# Altium PCB OTC_LOCK_v1_0.PcbDoc (part 1 of 2)
Units mm, origin at the board's own origin, x right, y up, seen from the top; angles counter-clockwise.
Board outline 85 x 65 mm, 4 copper layers (Top Layer, Internal Plane 1, Internal Plane 2, Bottom Layer), stack 1.56 mm thick; 126 components, 96 nets, 383 pads, 140 vias.
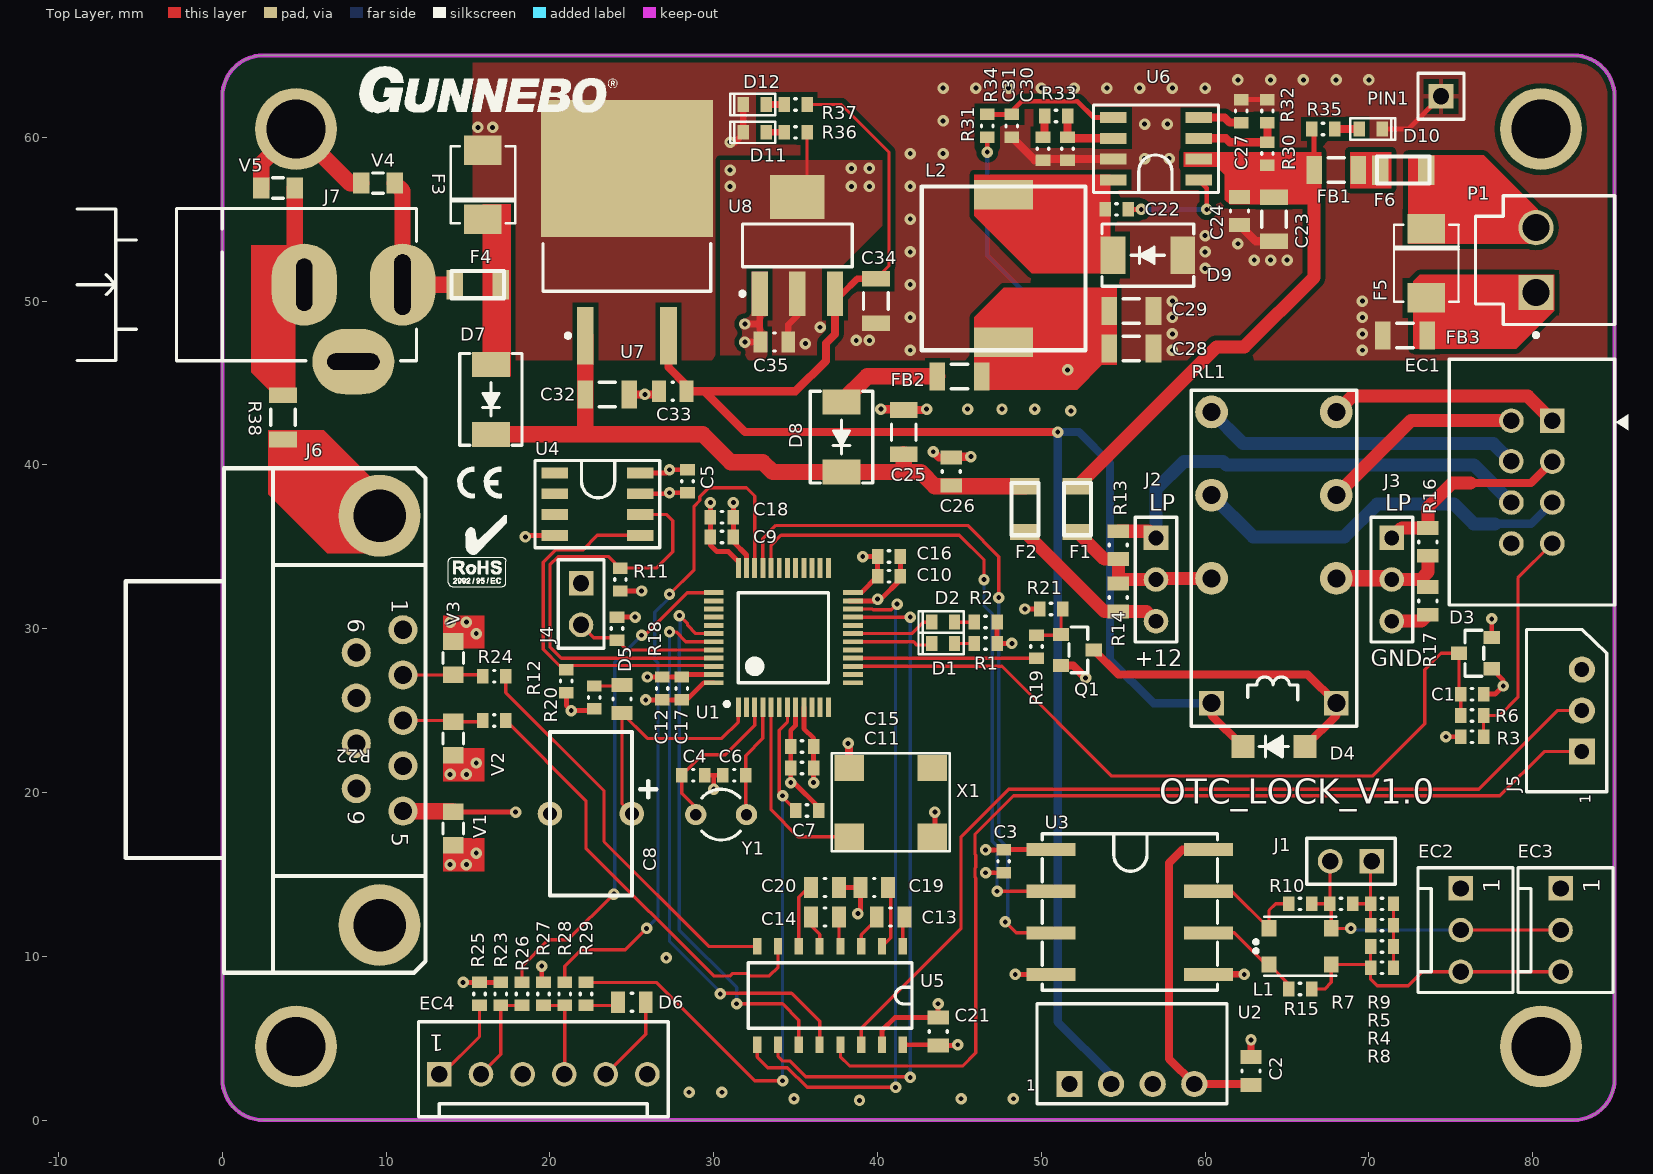
[diagram p0: Top Layer view]
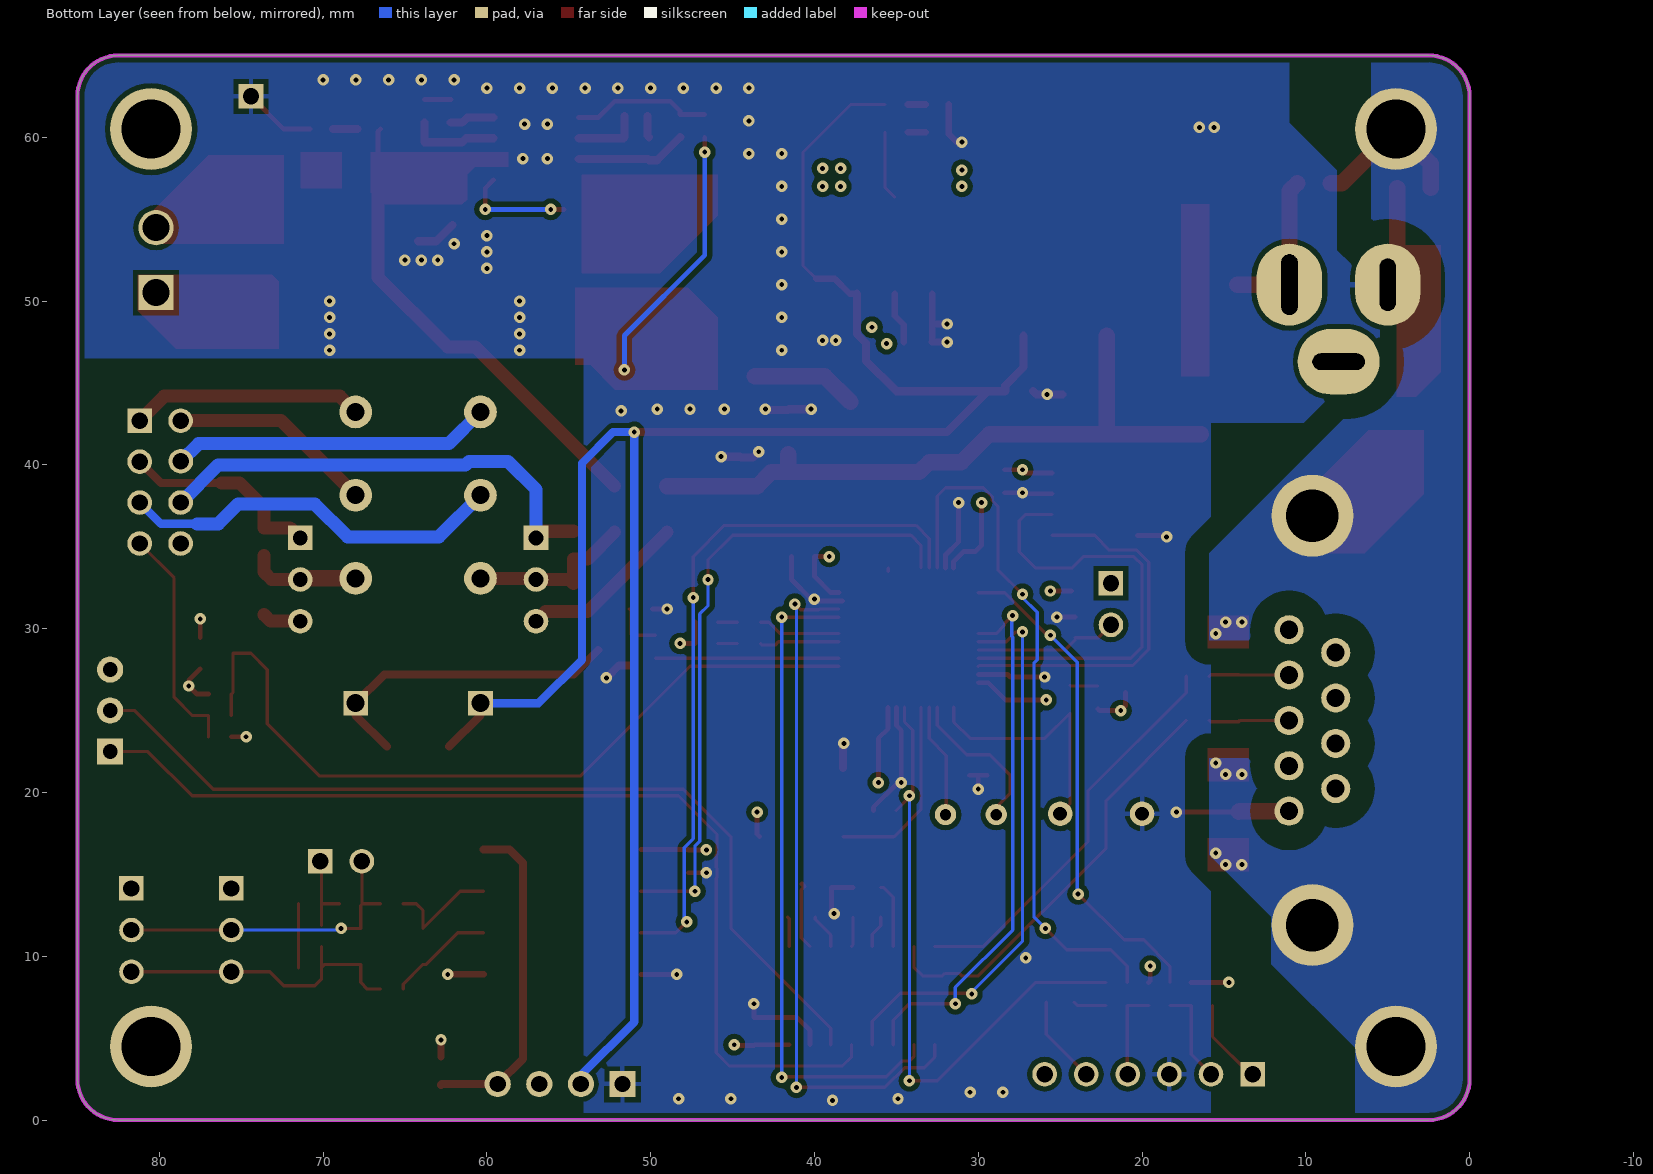
[diagram p1: Bottom Layer view, seen from below]
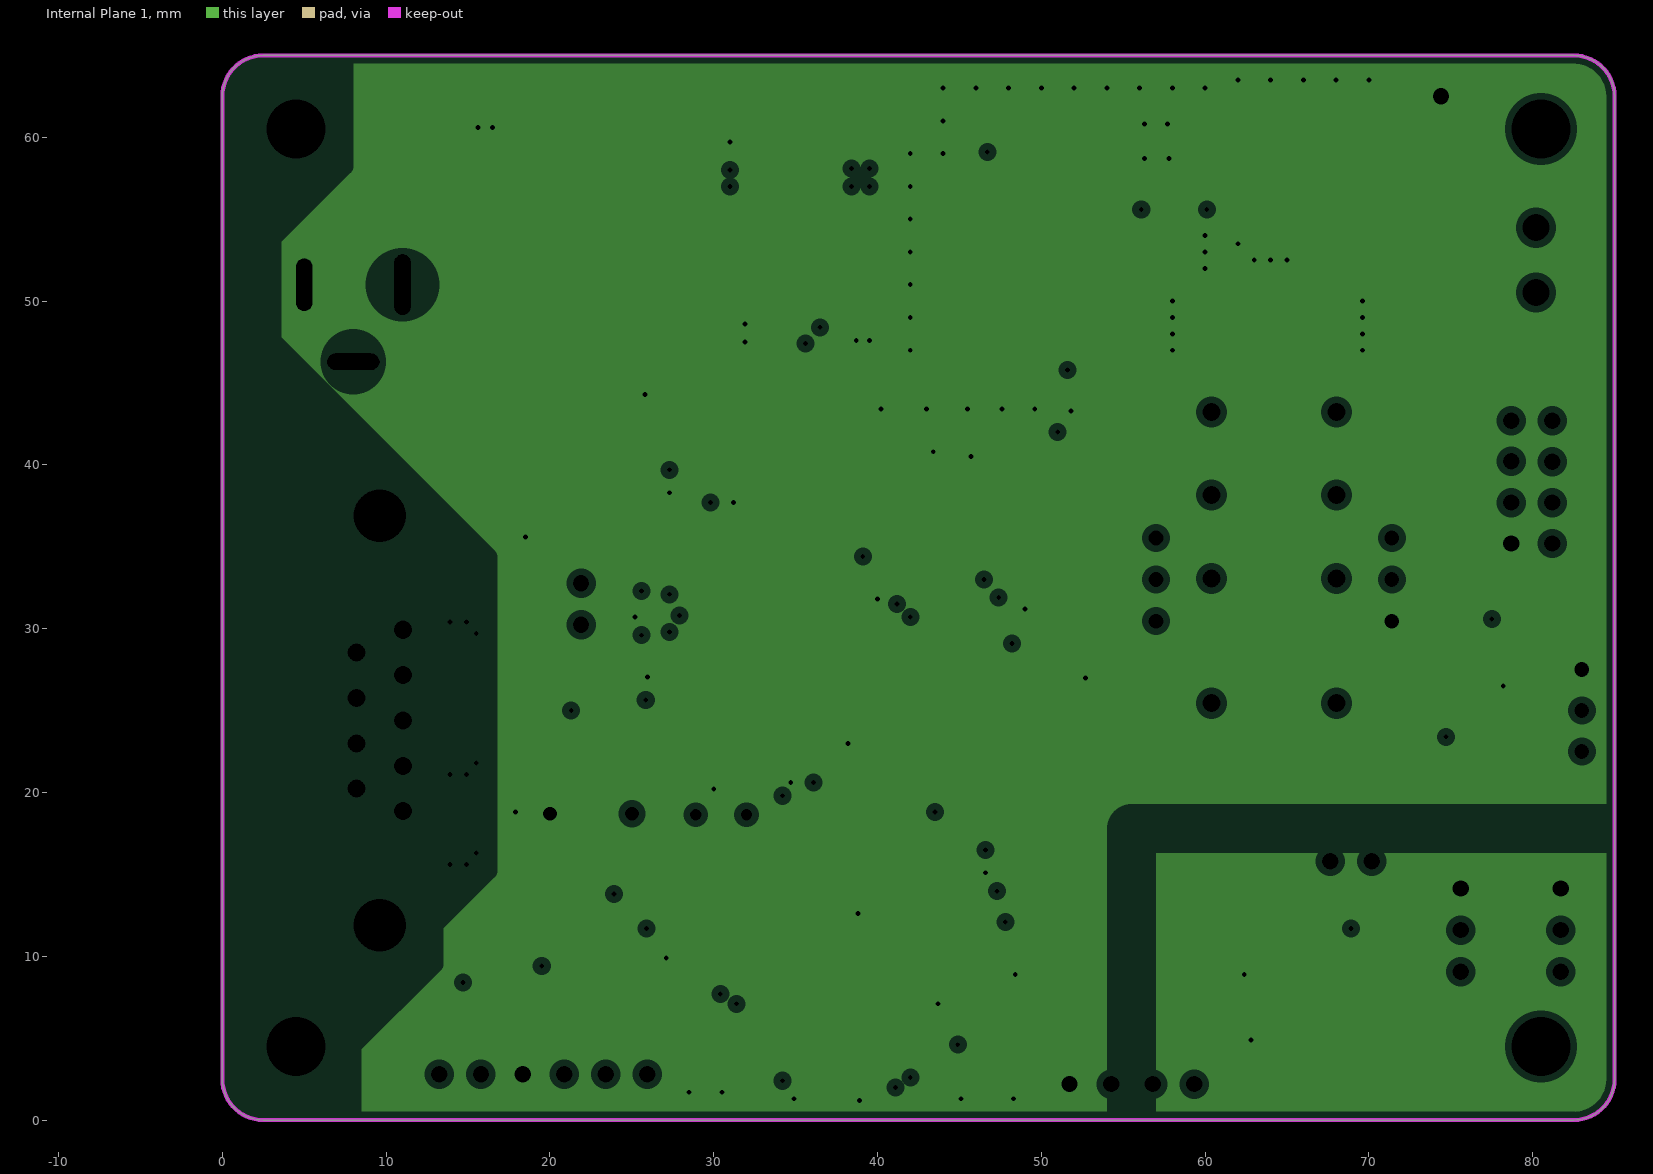
[diagram p2: Internal Plane 1, clearances drawn from the general rule]
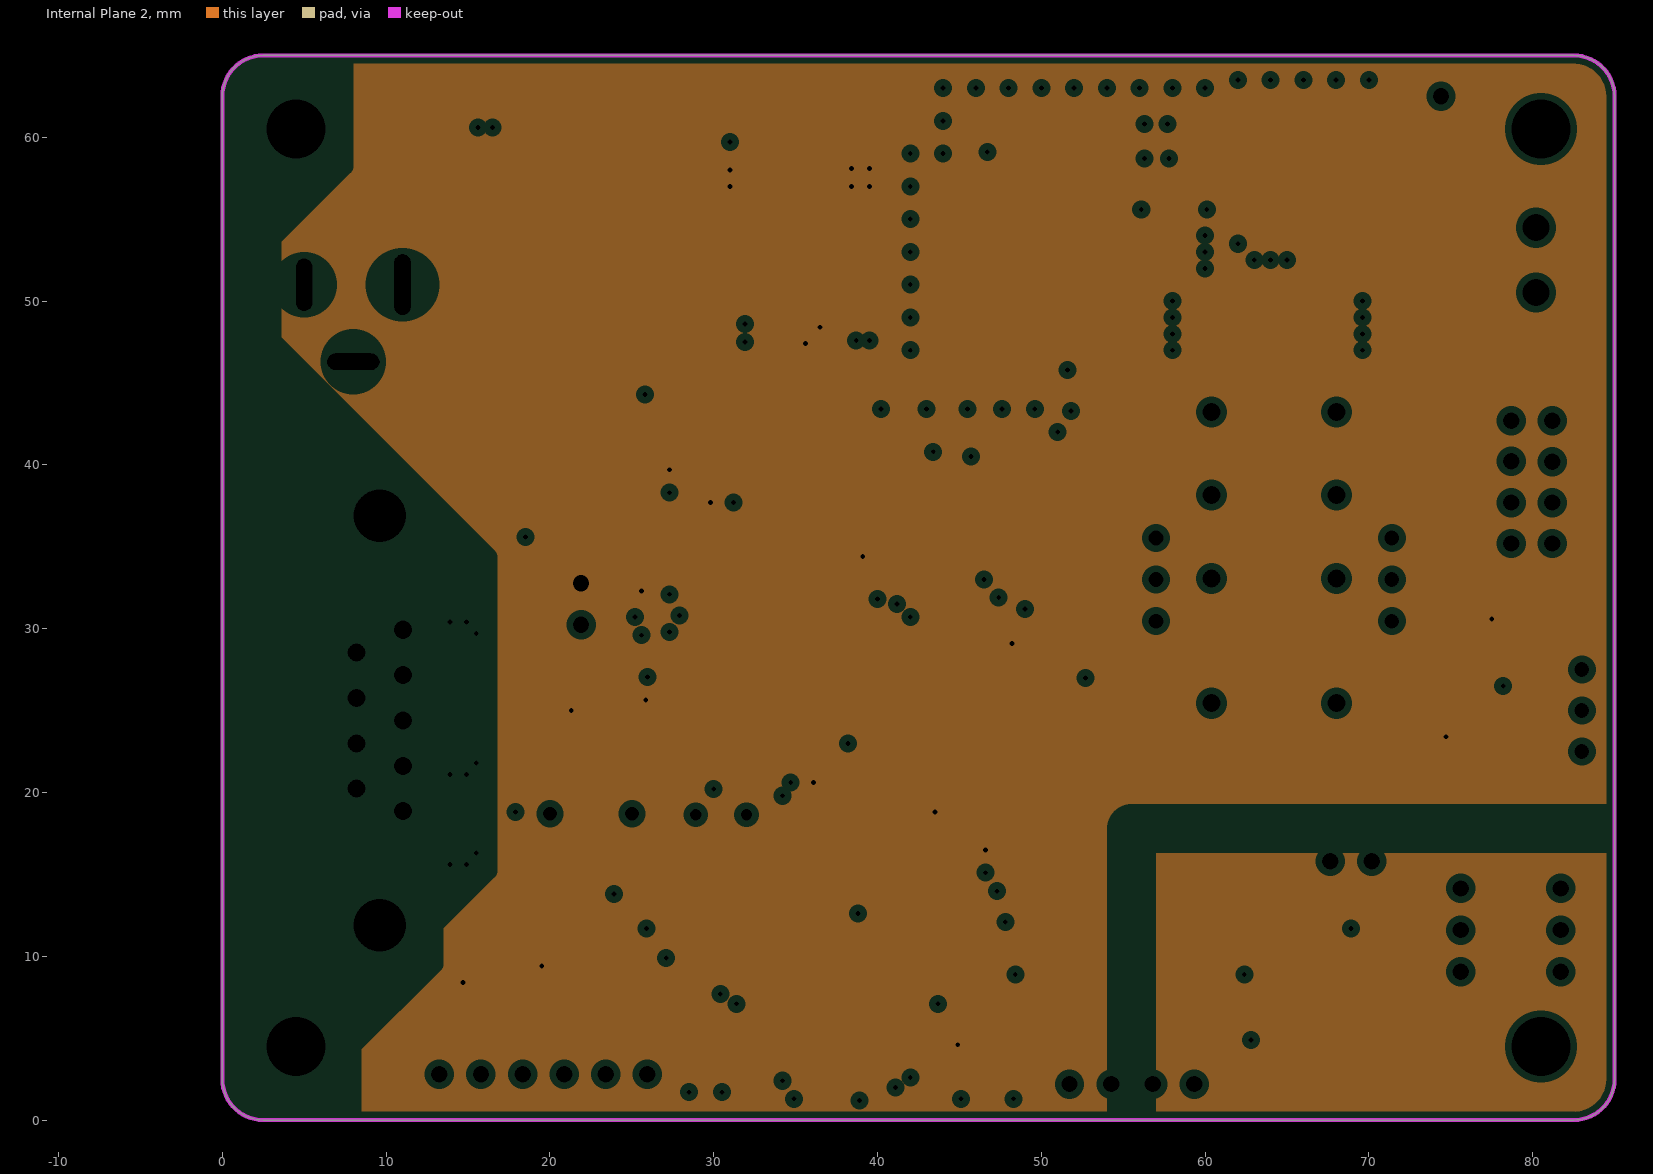
[diagram p3: Internal Plane 2, clearances drawn from the general rule]

## Layer stack, top to bottom
Top Solder: solder mask 0.0102, Solder Resist, Dk 3.5
Top Layer: signal copper 0.035
Dielectric 1: prepreg 0.13, 2x1080, Dk 4.4
Internal Plane 1: plane copper 0.015, net (Multiple Nets)
Dielectric 3: core 1.2, Dk 4.7
Internal Plane 2: plane copper 0.015, net +3V3
Dielectric 2: prepreg 0.13, 2x1080, Dk 4.4
Bottom Layer: signal copper 0.035
Bottom Solder: solder mask 0.0102, Solder Resist, Dk 3.5

## Board outline
0,2.5 ccw(c2.5,2.5) 2.5,0 82.5,0 ccw(c82.5,2.5) 85,2.5 85,62.5 ccw(c82.5,62.5) 82.5,65 2.5,65 ccw(c2.5,62.5) 0,62.5

## Design rules (kind name [scope] priority, off if disabled: settings)
Clearance Clearance_PADS [IsPad vs IsPad] p1: gap=0.2 ignorepadtopadclearanceinfootprint=FALSE
Clearance Clearance_usb [InNetClass('DIFF90') vs (InNet('GND') AND InPolygon)] p2: gap=1.5 ignorepadtopadclearanceinfootprint=FALSE
Clearance Clearance_GND_EARTH [InNet('GND_EARTH')] p3: gap=0.3 ignorepadtopadclearanceinfootprint=FALSE except(1.5: THPad-Fill THPad-Poly THPad-Region Fill-Fill Fill-Poly Fill-Region Poly-Poly Poly-Region Region-Region)
Clearance Clearance_polygon [InPolygon] p4: gap=0.3 ignorepadtopadclearanceinfootprint=FALSE
Clearance [All] p5: gap=0.2 ignorepadtopadclearanceinfootprint=FALSE
DiffPairsRouting DiffPairsRouting_90 [InDifferentialPairClass('DIF90')] p1: maxlimit=0.5 minlimit=0.23 mostfreqgap=0.48 toplayer_minwidth=0.23 toplayer_maxwidth=0.23 toplayer_prefwidth=0.23 bottomlayer_minwidth=0.23 bottomlayer_maxwidth=0.23 bottomlayer_prefwidth=0.23 maxuncoupledlength=8
DiffPairsRouting [All] p2: maxlimit=0.254 minlimit=0.254 mostfreqgap=0.254 toplayer_minwidth=0.2 toplayer_maxwidth=0.381 toplayer_prefwidth=0.381 bottomlayer_minwidth=0.2 bottomlayer_maxwidth=0.381 bottomlayer_prefwidth=0.381 maxuncoupledlength=12.7
HoleSize [All] p1: absolutevalues=TRUE maxlimit=4 minlimit=0.025 maxpercent=80.000 minpercent=20.000
MatchedLengths [InDifferentialPairClass('DIF90')] p1: tolerance=0.127 checknetsindiffpair=TRUE checkdiffpairvsdiffpair=FALSE checkxsignals=FALSE checkothers=FALSE
MinimumSolderMaskSliver [All] p1: minsoldermaskwidth=0.08
PasteMaskExpansion [All] p1: expansion=-0.02
PlaneClearance [All] p1: clearance=0.4
PlaneConnect PlaneConnect_THD [InPadClass('THD')] p1: planeconnectstyle=Relief reliefexpansion=0.3 reliefentries=4 reliefconductorwidth=0.3 reliefairgap=0.3
PlaneConnect [All] p2: planeconnectstyle=Direct reliefexpansion=0.508 reliefentries=4 reliefconductorwidth=0.254 reliefairgap=0.254
PolygonConnect PolygonConnect_GND_EARTH [InNet('GND_EARTH')] p1: connectstyle=Direct reliefconductorwidth=0.254 reliefentries=4 polygonreliefangle="90 Angle" airgapwidth=0.254
PolygonConnect [All] p2: thpad.connectstyle=Relief thpad.reliefconductorwidth=0.3 thpad.reliefentries=4 thpad.polygonreliefangle="90 Angle" thpad.airgapwidth=0.3 smdpad.connectstyle=Direct smdpad.reliefconductorwidth=0.254 smdpad.reliefentries=4 smdpad.polygonreliefangle="90 Angle" smdpad.airgapwidth=0.254 via.connectstyle=Direct via.reliefconductorwidth=0.254 via.reliefentries=4 via.polygonreliefangle="90 Angle" via.airgapwidth=0.254
RoomDefinition power [InComponentClass('power')] p1: confinementstyle=ConfineIn formatcopy=TRUE lockcomponents=FALSE outline 1.3,3.7 85.4,3.7 85.4,64.3 1.3,64.3
RoomDefinition micro [InComponentClass('micro')] p2: confinementstyle=ConfineIn formatcopy=TRUE lockcomponents=FALSE outline -6.5,-0.2 86.1,-0.2 86.1,63.1 -6.5,63.1
RoutingVias [All] p1: holewidth=0.3 width=0.7 viastyle="Through Hole" minholewidth=0.2 minwidth=0.5 maxholewidth=0.711 maxwidth=1.27
SilkToSilkClearance [All] p1: silktosilkclearance=0.125
SilkToSolderMaskClearance [IsPad] p1: minsilkscreentomaskgap=0 clearancetoexposedcopper=TRUE
SolderMaskExpansion SolderMaskExpansion_via [IsVia] p1: expansion=-1
SolderMaskExpansion [All] p2: expansion=0.06
Width [All] p1: maxlimit=5 minlimit=0.2 preferedwidth=0.3
22 further rules are at their usual default settings.

## Classes and differential pairs
pad class THD: C15-1 C15-2 EC1-1 EC1-2 EC1-3 EC2-1 EC2-2 EC2-3 EC3-1 EC3-2 EC3-3 EC3-4 EC3-5 EC3-6 EC4-1 EC4-2 EC4-3 EC4-4 EC4-5 EC4-6 EC4-7 EC4-8 Free- J2-1 J2-2 J3-1 J3-2 J3-3 J4-1 J4-2 J4-3 J4-4 J4-5 J4-6 J4-7 J4-8 J4-9 J4-10 J4-11 J5-1 J5-2 J7-1 J7-2 J7-3 J8-1 J8-2 J8-3 J10-1 J10-2 J10-3 P2-1 P2-2 PIN1-1 RL1-1 RL1-4 RL1-6 RL1-8 RL1-9 RL1-11 RL1-13 RL1-16 U3-1 U3-2 U3-3 U3-4 Y1-1 Y1-2
differential pair class DIF90: FUSB USB
component class power: C5 C10 C14 C15 C16 C20 C26 C28 C29 C31 C32 C33 C34 C35 D7 D8 D9 D10 D11 D12 F3 F4 F5 F6 FB1 FB2 FB3 J5 L2 P1 PIN1 R11 R17 R30 R31 R33 R34 R36 R37 R38 U5 U6 U8 V2 V5
component class micro: C1 C4 C6 C7 C8 C9 C10 C11 C12 C13 C15 C17 C18 C19 C21 C26 C28 C31 C32 C33 D1 D2 D3 D4 D5 D6 EC1 EC2 EC3 EC4 F1 F2 J1 J2 J3 J4 J6 L1 Q1 R1 R2 R3 R4 R5 R6 R7 R8 R9 R10 R11 R12 R13 R14 R15 R16 R17 R18 R20 R23 R25 R26 R27 R28 R29 R30 R32 R33 R34 R37 RL1 U2 U3 U4 U5 U7 V1 V2 V3 X1 Y1
net class EXT_CAN: +5VCAN GND_CAN NetEC2_2 NetEC2_3 NetJ1_1 NetL1_1 NetL1_4 NetR4_2

## Components (designator, comment, footprint, x,y, rotation, side; value= is the part's Value field where it differs from the comment)
C1 "100nF" 0603 76.3,26 r180 top value=100pF
C2 "10 uF" 0805 62.8,3 r90 top value=100pF
C3 "1 uF" 0603 47.7,15.8 r270 top value=100pF
C4 "10pF" 0603 28.75,21.05 r180 top value=100pF
C5 "100nF" 0603 28.4,39 r90 top value=100pF
C6 "10pF" 0603 31.25,21.05 r0 top value=100pF
C7 "100nF" 0603 35.7,18.9 r180 top value=100pF
C8 "0,22F" EECS0HD224V 25,18.7 r180 top
C9 "100nF" 0603 30.5,35.6 r180 top value=100pF
C10 "100nF" 0603 40.7,33.2 r180 top value=100pF
C11 "100nF" 0603 35.4,21.5 r0 top value=100pF
C12 "100nF" 0603 26.85,26.35 r270 top value=100pF
C13 "470nF" 0805 40.8,12.4 r0 top value=100pF
C14 "470nF" 0805 36.8,12.4 r180 top value=100pF
C15 "10 nF" 0603 35.4,22.8 r0 top value=100pF
C16 "10 nF" 0603 40.7,34.4 r180 top value=100pF
C17 "10 nF" 0603 28.05,26.35 r270 top value=100pF
C18 "10 nF" 0603 30.5,36.8 r180 top value=100pF
C19 "470nF" 0805 39.8,14.2 r0 top value=100pF
C20 "470nF" 0805 36.8,14.2 r0 top value=100pF
C21 "100 nF" 0805 43.7,5.4 r90 top value=100pF
C22 "100nF" 0603 54.6,55.6 r180 top value=100pF
C23 "10 uF" 1206 64.2,55 r90 top value=100pF
C24 "100 nF" 0805 62.1,55.5 r90 top value=100pF
C25 "10uF" 1206 41.6,42 r90 top value=100pF
C26 "100 nF" 0805 44.5,39.6 r270 top value=100pF
C27 "10n" 0603 62.2,61.6 r90 top value=100pF
C28 "10 uF" 1206 55.5,47.1 r180 top value=100pF
C29 "10 uF" 1206 55.5,49.4 r180 top value=100pF
C30 "100p" 0603 51.6,59.3 r90 top value=100pF
C31 "10n" 0603 50.1,59.3 r90 top value=100pF
C32 "10 uF" 1206 23.5,44.3 r180 top value=100pF
C33 "10 uF" 0805 27.5,44.5 r0 top value=100pF
C34 "10 uF" 1206 39.9,50 r90 top value=100pF
C35 "10 uF" 0805 33.7,47.5 r0 top value=100pF
D1 "LED_G" LED0603G 44,29.1 r180 top
D2 "LED_G" LED0603G 44,30.4 r180 top
D3 "BAT54S" SOT23 76.5,28.5 r90 top
D4 "LL4148" SOD123 64.2,22.8 r180 top
D5 "BAT48" 0805 24.4,25.7 r270 top
D6 "BAT48" 0805 25,7.2 r0 top
D7 "SS26" SMB 16.4,44 r270 top
D8 "SS26" SMB 37.8,41.7 r270 top
D9 "SS26" SMB 56.5,52.8 r180 top
D10 "LED_G" LED0603G 70.1,60.5 r0 top
D11 "LED_G" LED0603G 32.5,60.3 r180 top
D12 "LED_G" LED0603G 32.5,62 r180 top
EC1 "JST_XAD_8" JST_XADSS_8 79.95,38.95 r90 top
EC2 "Conexcon-2545-2-03-1_1" CONEXCON-2545-2-03-1 78.8,7.79 r90 top
EC3 "Conexcon-2545-2-03-1_1" CONEXCON-2545-2-03-1 84.9,7.79 r90 top
EC4 "Conexcon-2545-2-06-1" CONEXCON-2545-2-06-1 19.6,3.1 r180 top
F1 "1206L050/24" POLYFUSE_1206L 52.2,37.3 r90 top
F2 "1206L050/24" POLYFUSE_1206L 49,37.3 r90 top
F3 "TVS 12V Bidir" DO-214AA 15.9,57.1 r270 top
F4 "1206L050/24" POLYFUSE_1206L 15.6,51 r0 top
F5 "TVS 12V Bidir" DO-214AA 73.5,52.3 r90 top
F6 "1206L050/24" POLYFUSE_1206L 72.1,58 r180 top
FB1 "ILHB1206ER121V" 1206 68,58 r180 top
FB2 "ILHB1206ER121V" 1206 45,45.4 r180 top
FB3 "ILHB1206ER121V" 1206 72.2,47.9 r180 top
J1 "JUMPER2" JUMPER_2X1_2.54 68.9,15.8 r180 top
J2 "Header 3" HDR1X3 57,35.54 r270 top
J3 "Header 3" HDR1X3 71.4,35.54 r270 top
J4 "JUMPER2" JUMPER_2X1_2.54 21.9,31.5 r270 top
J5 "MKS_19023" MOLEX_MKS_19023 83,22.5 r90 top
J6 "A-DS09A/KG-T2" FCI_D09P33E6RV09LF 9.6,36.894 r270 top
J7 "PJ-002AH" POWER_JACK_5.5_2.1MM_NS_v1.1 11,51 r90 top
L1 "DLW43SH510XK2" 1812_DLW 65.8,10.6 r0 top
L2 "47u" SRU1048-470Y 47.7,52 r270 top
P1 "B2P-VH(LF)(SN)" JST-B2P-VH(LF)(SN)_V 81.6,52.5 r90 top
PIN1 "Debug" PIN_Debug 74.4,62.5 r0 top
Q1 "BSS138-SOT23" "SOT23 - RJ" 52.2,28.7 r270 top
R1 "330 OHM" R0603 46.6,29.1 r0 top value=1K
R2 "330 OHM" R0603 46.6,30.4 r0 top value=1K
R3 "4K7" R0603 76.3,23.4 r180 top value=1K
R4 "120 OHM" R0603 70.8,10.6 r0 top value=1K
R5 "120 OHM" R0603 70.8,11.9 r180 top value=1K
R6 "330 OHM" R0603 76.3,24.7 r0 top value=1K
R7 "0 OHM" R0603 68.3,13.2 r180 top value=1K
R8 "120 OHM" R0603 70.8,9.3 r0 top value=1K
R9 "120 OHM" R0603 70.8,13.2 r180 top value=1K
R10 "0 OHM" R0603 65.8,13.2 r0 top value=1K
R11 "2K2" R0603 24.3,33 r90 top value=1K
R12 "2K2" R0603 21,26.8 r90 top value=1K
R13 "0 OHM" R0805 54.7,35.1 r90 top value=1K
R14 "0 OHM" R0805 54.7,31.9 r90 top value=1K
R15 "0 OHM" R0603 65.8,8 r0 top value=1K
R16 "0 OHM" R0805 73.6,35.3 r90 top value=1K
R17 "0 OHM" R0805 73.6,31.7 r90 top value=1K
R18 "10 K" R0603 24.1,30 r270 top value=1K
R19 "33 OHM" R0603 49.7,28.9 r270 top value=1K
R20 "150 OHM" R0603 22.7,25.8 r90 top value=1K
R21 "4K7" R0603 50.6,31.2 r0 top value=1K
R22 "33 OHM" R0603 16.6,24.4 r0 top value=1K
R23 "100 K" R0603 17,7.7 r90 top value=1K
R24 "33 OHM" R0603 16.6,27.1 r0 top value=1K
R25 "0 OHM" R0603 15.7,7.7 r270 top value=1K
R26 "33 OHM" R0603 18.3,7.7 r90 top value=1K
R27 "100 K" R0603 19.6,7.7 r90 top value=1K
R28 "33 OHM" R0603 20.9,7.7 r90 top value=1K
R29 "1 K" R0603 22.2,7.7 r90 top value=1K
R30 "150 K" R0603 63.8,59 r270 top value=1K
R31 "10 K" R0603 46.7,60.7 r270 top value=1K
R32 "16 K" R0603 63.8,61.6 r270 top value=1K
R33 "16 K" R0603 50.9,61.3 r0 top value=1K
R34 "750 OHM" R0603 48.2,60.7 r90 top value=1K
R35 "4K7" R0603 67.2,60.5 r180 top value=1K
R36 "1K2" R0603 35,60.3 r0 top value=1K
R37 "330 OHM" R0603 35,62 r0 top value=1K
R38 "0 OHM" R1206 3.7,42.9 r90 top value=1K
RL1 "G5V-2-5VDC" RL-OMRON-G5V-2-5VDC 64.2,34.3 r90 top
U1 "STM32F072CBT7" STM-LQFP48_N_3d 34.25,29.45 r90 top
U2 "MUS-0505" MUS-0505 55.53,4.05 r0 top
U3 "ISO1050DU" DUB_R_PDSO_G8 55.4,12.7 r0 top
U4 "M24C16" SO08 22.9,37.6 r0 top
U5 "TI-MAX3232E" SOIC16 37.1,7.6 r270 top
U6 "TPS54231" SO08 57,59.3 r180 top
U7 "MC7805" D2PAK 24.7,54.2 r90 top
U8 "LM1117IMPX-3.3/NOPB" SOT223_ 35.1,53.4 r90 top
V1 "VC080526C580" VC080526C580 14.1,17.8 r270 top
V2 "VC080526C580" VC080526C580 14.1,23.3 r90 top
V3 "VC080526C580" VC080526C580 14.1,28.2 r270 top
V4 "VC080526C580" VC080526C580 9.5,57.2 r180 top
V5 "VC080526C580" VC080526C580 3.4,56.9 r180 top
X1 "OSC_24MHZ" Oscillator_7x5 40.8,19.4 r180 top
Y1 "XTAL" R38 30.45,18.65 r270 top
